# KiCad board FrontEnd_5G.kicad_pcb (continued)
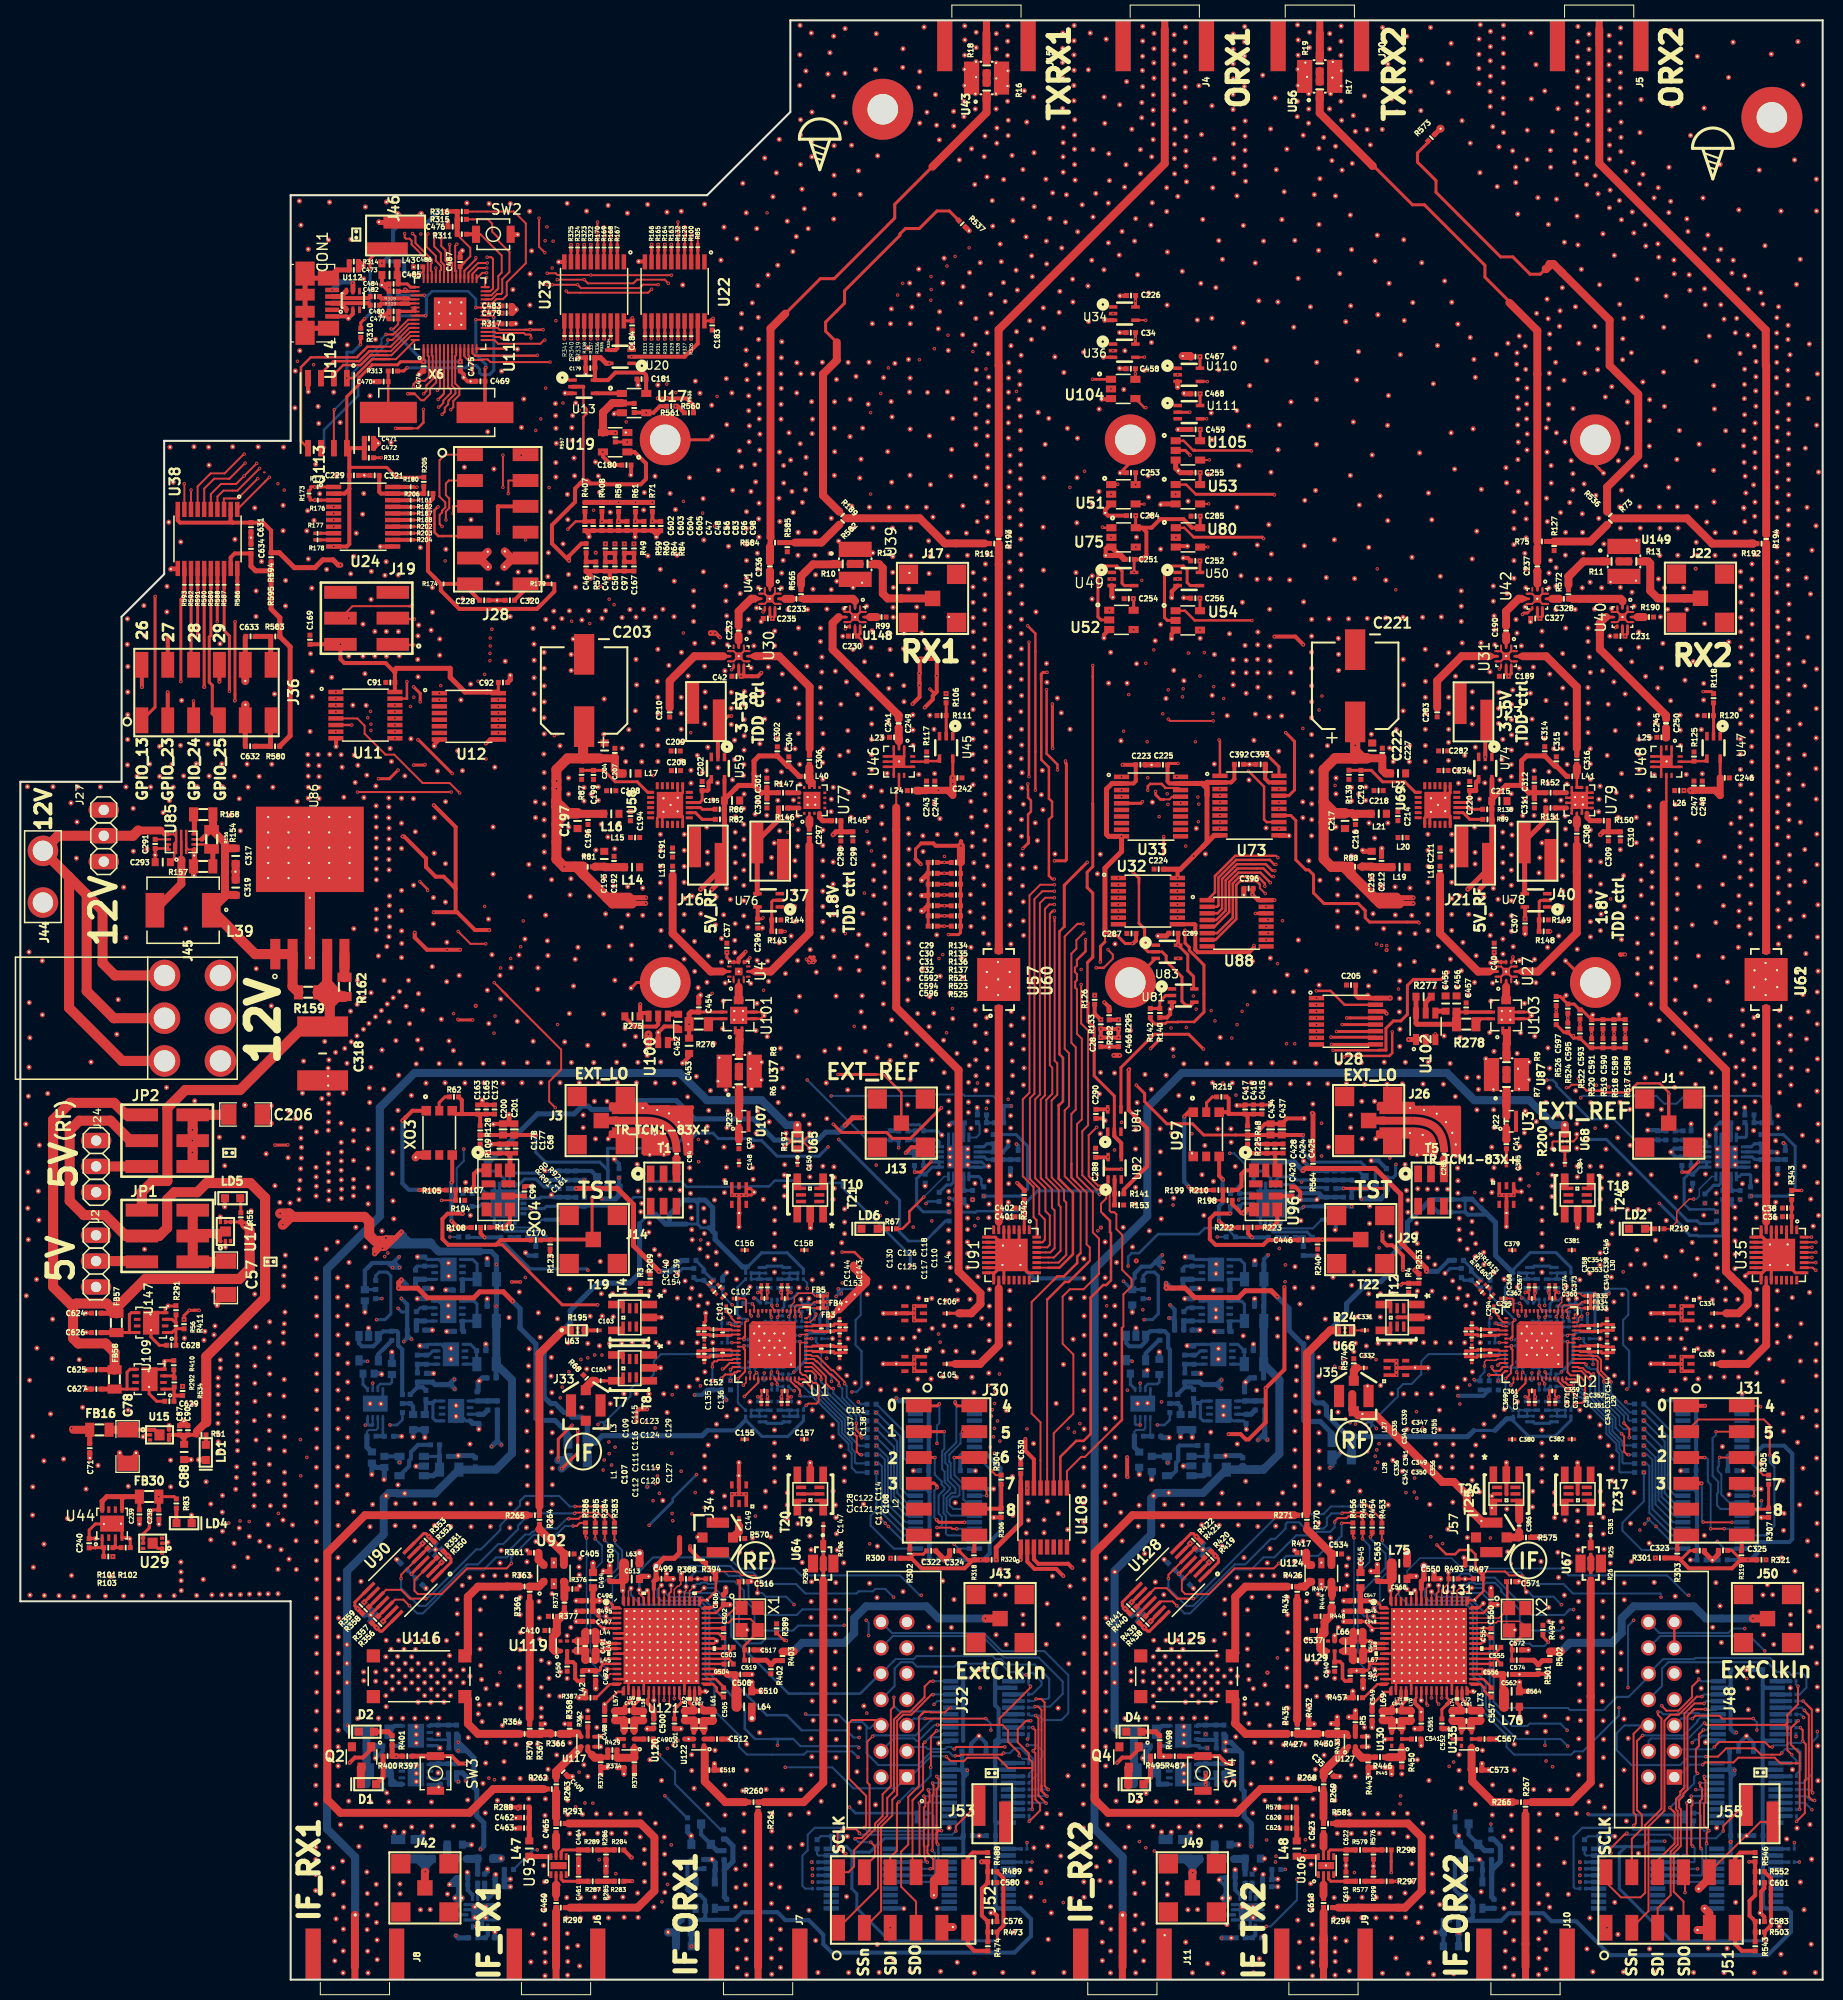
[diagram p0: board, top side]
## Placement (name value [footprint] x y rotation side) (continued)
Ref**#935  Val**  [VIA_600_400]  127.03 4.02 0 top
Ref**#936  Val**  [VIA_600_400]  127 5.41 0 top
Ref**#937  Val**  [VIA_600_400]  129.25 4.08 0 top
Ref**#938  Val**  [VIA_600_400]  129.24 2.74 0 top
Ref**#939  Val**  [VIA_600_400]  136.8 9.63 0 top
Ref**#940  Val**  [VIA_600_400]  136.79 11.4 0 top
Ref**#941  Val**  [VIA_600_400]  136.78 12.79 0 top
Ref**#942  Val**  [VIA_600_400]  138.79 10.4 0 top
Ref**#943  Val**  [VIA_600_400]  138.78 12.33 0 top
Ref**#944  Val**  [VIA_600_400]  138.8 8.58 0 top
Ref**#945  Val**  [VIA_600_400]  138.75 14.01 0 top
Ref**#946  Val**  [VIA_600_400]  137.85 15.38 0 top
Ref**#947  Val**  [VIA_600_400]  137.7 7.12 0 top
Ref**#948  Val**  [VIA_600_400]  146.8 3.86 0 top
Ref**#949  Val**  [VIA_600_400]  146.79 5.79 0 top
Ref**#950  Val**  [VIA_600_400]  146.81 2.04 0 top
Ref**#951  Val**  [VIA_600_400]  149.26 5.87 0 top
Ref**#952  Val**  [VIA_600_400]  149.26 4 0 top
Ref**#953  Val**  [VIA_600_400]  149.27 2.11 0 top
Ref**#954  Val**  [VIA_600_400]  147.85 83.24 0 top
Ref**#955  Val**  [VIA_600_400]  147.93 85.38 0 top
Ref**#956  Val**  [VIA_600_400]  144.86 91.24 0 top
Ref**#957  Val**  [VIA_600_400]  143.33 87.5 0 top
Ref**#958  Val**  [VIA_600_400]  147.33 87.56 0 top
Ref**#959  Val**  [VIA_600_400]  147.14 91.04 0 top
Ref**#960  Val**  [VIA_600_400]  148.3 90.19 0 top
Ref**#961  Val**  [VIA_600_400]  148.27 88.45 0 top
Ref**#962  Val**  [VIA_600_400]  166.02 83.01 0 top
Ref**#963  Val**  [VIA_600_400]  150.29 87.66 0 top
Ref**#964  Val**  [VIA_600_400]  150.34 89.59 0 top
Ref**#965  Val**  [VIA_600_400]  150.16 91.58 0 top
Ref**#966  Val**  [VIA_600_400]  148.87 92.72 0 top
Ref**#967  Val**  [VIA_600_400]  144.88 83.75 0 top
Ref**#968  Val**  [VIA_600_400]  143.18 85.49 0 top
Ref**#969  Val**  [VIA_600_400]  144.64 81.83 0 top
Ref**#970  Val**  [VIA_600_400]  147.39 81.89 0 top
Ref**#971  Val**  [VIA_600_400]  144.81 87.5 0 top
Ref**#972  Val**  [VIA_600_400]  121.21 62.46 0 top
Ref**#973  Val**  [VIA_600_400]  116.05 59.58 0 top
Ref**#974  Val**  [VIA_600_400]  114.69 62.31 0 top
Ref**#975  Val**  [VIA_600_400]  111.96 61.69 0 top
Ref**#976  Val**  [VIA_600_400]  109.67 64.05 0 top
Ref**#977  Val**  [VIA_600_400]  121.33 66.93 0 top
Ref**#978  Val**  [VIA_600_400]  115.91 67.94 0 top
Ref**#979  Val**  [VIA_600_400]  117.27 67.77 0 top
Ref**#980  Val**  [VIA_600_400]  121.35 70.67 0 top
Ref**#981  Val**  [VIA_600_400]  115.95 63.85 0 top
Ref**#982  Val**  [VIA_600_400]  110.78 59.9 0 top
Ref**#983  Val**  [VIA_600_400]  117.36 63.71 0 top
Ref**#984  Val**  [VIA_600_400]  114.46 66.93 0 top
Ref**#985  Val**  [VIA_600_400]  114.5 71.03 0 top
Ref**#986  Val**  [VIA_600_400]  117.81 46.78 0 top
Ref**#987  Val**  [VIA_600_400]  116.16 46.78 0 top
Ref**#988  Val**  [VIA_600_400]  114.24 46.7 0 top
Ref**#989  Val**  [VIA_600_400]  112.48 46.7 0 top
Ref**#990  Val**  [VIA_600_400]  112.29 44.63 0 top
Ref**#991  Val**  [VIA_600_400]  114.19 44.64 0 top
Ref**#992  Val**  [VIA_600_400]  116.13 44.69 0 top
Ref**#993  Val**  [VIA_600_400]  117.85 44.66 0 top
Ref**#994  Val**  [VIA_600_400]  125.21 44.43 0 top
Ref**#995  Val**  [VIA_600_400]  123.41 44.58 0 top
Ref**#996  Val**  [VIA_600_400]  121.65 44.54 0 top
Ref**#997  Val**  [VIA_600_400]  119.72 44.68 0 top
Ref**#998  Val**  [VIA_600_400]  108.31 43.12 0 top
Ref**#999  Val**  [VIA_600_400]  109.9 44.56 0 top
Ref**#1000  Val**  [VIA_600_400]  108.17 45.92 0 top
Ref**#1001  Val**  [VIA_600_400]  109.98 46.63 0 top
Ref**#1002  Val**  [VIA_600_400]  125.29 50.42 0 top
Ref**#1003  Val**  [VIA_600_400]  125.29 48.53 0 top
Ref**#1004  Val**  [VIA_600_400]  125.29 53.91 0 top
Ref**#1005  Val**  [VIA_600_400]  125.29 52.05 0 top
Ref**#1006  Val**  [VIA_600_400]  127.71 50.27 0 top
Ref**#1007  Val**  [VIA_600_400]  127.71 46.75 0 top
Ref**#1008  Val**  [VIA_600_400]  127.71 48.64 0 top
Ref**#1009  Val**  [VIA_600_400]  127.64 44.89 0 top
Ref**#1010  Val**  [VIA_600_400]  127.66 53.75 0 top
Ref**#1011  Val**  [VIA_600_400]  127.67 51.97 0 top
Ref**#1012  Val**  [VIA_600_400]  125.45 60.28 0 top
Ref**#1013  Val**  [VIA_600_400]  125.5 61.97 0 top
Ref**#1014  Val**  [VIA_600_400]  125.34 55.87 0 top
Ref**#1015  Val**  [VIA_600_400]  125.44 58.9 0 top
Ref**#1016  Val**  [VIA_600_400]  127.64 57.68 0 top
Ref**#1017  Val**  [VIA_600_400]  127.64 55.79 0 top
Ref**#1018  Val**  [VIA_600_400]  127.64 61.17 0 top
Ref**#1019  Val**  [VIA_600_400]  127.64 59.31 0 top
Ref**#1020  Val**  [VIA_600_400]  126.56 63.12 0 top
Ref**#1021  Val**  [VIA_600_400]  128.28 64.93 0 top
Ref**#1022  Val**  [VIA_600_400]  129.27 62.59 0 top
Ref**#1023  Val**  [VIA_600_400]  155.57 32.22 0 top
Ref**#1024  Val**  [VIA_600_400]  153.2 32.3 0 top
Ref**#1025  Val**  [VIA_600_400]  155.63 23.62 0 top
Ref**#1026  Val**  [VIA_600_400]  153.2 23.67 0 top
Ref**#1027  Val**  [VIA_600_400]  151.1 16.24 0 top
Ref**#1028  Val**  [VIA_600_400]  155.62 21.82 0 top
Ref**#1029  Val**  [VIA_600_400]  152.1 18.7 0 top
Ref**#1030  Val**  [VIA_600_400]  150.35 18.63 0 top
Ref**#1031  Val**  [VIA_600_400]  149.32 16.29 0 top
Ref**#1032  Val**  [VIA_600_400]  144.72 19.14 0 top
Ref**#1033  Val**  [VIA_600_400]  143.03 17.24 0 top
Ref**#1034  Val**  [VIA_600_400]  144.7 16.19 0 top
Ref**#1035  Val**  [VIA_600_400]  141.65 18.81 0 top
Ref**#1036  Val**  [VIA_600_400]  149.27 12.93 0 top
Ref**#1037  Val**  [VIA_600_400]  146.68 12.94 0 top
Ref**#1038  Val**  [VIA_600_400]  149.27 7.5 0 top
Ref**#1039  Val**  [VIA_600_400]  146.73 7.51 0 top
Ref**#1040  Val**  [VIA_600_400]  146.71 11.26 0 top
Ref**#1041  Val**  [VIA_600_400]  146.72 9.33 0 top
Ref**#1042  Val**  [VIA_600_400]  149.26 9.39 0 top
Ref**#1043  Val**  [VIA_600_400]  149.26 11.26 0 top
Ref**#1044  Val**  [VIA_600_400]  152.96 16.34 0 top
Ref**#1045  Val**  [VIA_600_400]  154.19 17.48 0 top
Ref**#1046  Val**  [VIA_600_400]  155.41 19.08 0 top
Ref**#1047  Val**  [VIA_600_400]  146.57 14.69 0 top
Ref**#1048  Val**  [VIA_600_400]  149.31 14.65 0 top
Ref**#1049  Val**  [VIA_600_400]  146.58 16.16 0 top
Ref**#1050  Val**  [VIA_600_400]  153.23 21.86 0 top
Ref**#1051  Val**  [VIA_600_400]  153.19 20.13 0 top
Ref**#1052  Val**  [VIA_600_400]  149.48 41.1 0 top
Ref**#1053  Val**  [VIA_600_400]  146.21 42.05 0 top
Ref**#1054  Val**  [VIA_600_400]  149.2 43.47 0 top
Ref**#1055  Val**  [VIA_600_400]  152.34 41.04 0 top
Ref**#1056  Val**  [VIA_600_400]  156.3 40.94 0 top
Ref**#1057  Val**  [VIA_600_400]  163.22 50.02 0 top
Ref**#1058  Val**  [VIA_600_400]  169.33 50.02 0 top
Ref**#1059  Val**  [VIA_600_400]  171.13 45.42 0 top
Ref**#1060  Val**  [VIA_600_400]  127.52 71.17 0 top
Ref**#1061  Val**  [VIA_600_400]  155.51 27.35 0 top
Ref**#1062  Val**  [VIA_600_400]  155.51 29 0 top
Ref**#1063  Val**  [VIA_600_400]  155.53 30.58 0 top
Ref**#1064  Val**  [VIA_600_400]  153.3 30.62 0 top
Ref**#1065  Val**  [VIA_600_400]  153.28 29.04 0 top
Ref**#1066  Val**  [VIA_600_400]  153.28 27.39 0 top
Ref**#1067  Val**  [VIA_600_400]  153.36 25.48 0 top
Ref**#1068  Val**  [VIA_600_400]  153.16 33.94 0 top
Ref**#1069  Val**  [VIA_600_400]  153.16 35.59 0 top
Ref**#1070  Val**  [VIA_600_400]  153.18 37.17 0 top
Ref**#1071  Val**  [VIA_600_400]  153.17 39.01 0 top
Ref**#1072  Val**  [VIA_600_400]  155.57 37.2 0 top
Ref**#1073  Val**  [VIA_600_400]  155.55 35.62 0 top
Ref**#1074  Val**  [VIA_600_400]  155.55 33.97 0 top
Ref**#1075  Val**  [VIA_600_400]  155.61 39.01 0 top
Ref**#1076  Val**  [VIA_600_400]  131.08 61.73 0 top
Ref**#1077  Val**  [VIA_600_400]  137.11 60.15 0 top
Ref**#1078  Val**  [VIA_600_400]  125.35 57.4 0 top
Ref**#1079  Val**  [VIA_600_400#4]  151.83 84.01 0 top
Ref**#1080  Val**  [VIA_600_400]  151.12 84.98 0 top
Ref**#1081  Val**  [VIA_600_400]  152.39 84.96 0 top
Ref**#1082  Val**  [VIA_600_400]  149.02 84.33 0 top
Ref**#1083  Val**  [VIA_600_400]  153.01 84.13 0 top
Ref**#1084  Val**  [VIA_600_400]  150.5 83.11 0 top
Ref**#1085  Val**  [VIA_600_400]  153 83.09 0 top
Ref**#1086  Val**  [VIA_600_400]  144.83 85.5 0 top
Ref**#1087  Val**  [VIA_600_400]  149.96 86.23 0 top
Ref**#1088  Val**  [VIA_600_400]  142.2 88.66 0 top
Ref**#1089  Val**  [VIA_600_400]  139.89 88.01 0 top
Ref**#1090  Val**  [VIA_600_400]  141.06 86.8 0 top
Ref**#1091  Val**  [VIA_600_400]  137.89 88.03 0 top
Ref**#1092  Val**  [VIA_600_400]  135.86 88.04 0 top
Ref**#1093  Val**  [VIA_600_400]  130.36 88.06 0 top
Ref**#1094  Val**  [VIA_600_400]  132.14 88.01 0 top
Ref**#1095  Val**  [VIA_600_400]  134.35 88.02 0 top
Ref**#1096  Val**  [VIA_600_400]  122.9 88.05 0 top
Ref**#1097  Val**  [VIA_600_400]  121.02 88.15 0 top
Ref**#1098  Val**  [VIA_600_400]  119.14 88.13 0 top
Ref**#1099  Val**  [VIA_600_400]  124.84 88.05 0 top
Ref**#1100  Val**  [VIA_600_400]  126.66 88.07 0 top
Ref**#1101  Val**  [VIA_600_400]  128.52 88.06 0 top
Ref**#1102  Val**  [VIA_600_400]  116.62 90.05 0 top
Ref**#1103  Val**  [VIA_600_400]  114.37 90.02 0 top
Ref**#1104  Val**  [VIA_600_400]  115.32 88.12 0 top
Ref**#1105  Val**  [VIA_600_400]  117.19 88.15 0 top
Ref**#1106  Val**  [VIA_600_400]  144.06 90.51 0 top
Ref**#1107  Val**  [VIA_600_400]  143.34 88.7 0 top
Ref**#1108  Val**  [VIA_600_400]  147.22 89.54 0 top
Ref**#1109  Val**  [VIA_600_400]  112.63 88.9 0 top
Ref**#1110  Val**  [VIA_600_400]  111.18 87.51 0 top
Ref**#1111  Val**  [VIA_600_400]  109.78 86.2 0 top
Ref**#1112  Val**  [VIA_600_400]  107.76 70.5 0 top
Ref**#1113  Val**  [VIA_600_400]  109.33 72.01 0 top
Ref**#1114  Val**  [VIA_600_400]  110.98 73.6 0 top
Ref**#1115  Val**  [VIA_600_400]  112.01 79.22 0 top
Ref**#1116  Val**  [VIA_600_400]  112.15 74.78 0 top
Ref**#1117  Val**  [VIA_600_400]  112.07 81.37 0 top
Ref**#1118  Val**  [VIA_600_400]  112.04 83.63 0 top
Ref**#1119  Val**  [VIA_600_400]  112.57 85.43 0 top
Ref**#1120  Val**  [VIA_600_400]  113.88 86.9 0 top
Ref**#1121  Val**  [VIA_600_400#4]  108.36 6.35 0 top
Ref**#1122  Val**  [VIA_600_400]  109.63 83.54 0 top
Ref**#1123  Val**  [VIA_600_400]  109.63 81.65 0 top
Ref**#1124  Val**  [VIA_600_400]  109.63 77.87 0 top
Ref**#1125  Val**  [VIA_600_400]  109.64 79.97 0 top
Ref**#1126  Val**  [VIA_600_400]  104.54 68.93 0 top
Ref**#1127  Val**  [VIA_600_400]  104.59 67.05 0 top
Ref**#1128  Val**  [VIA_600_400]  104.54 70.85 0 top
Ref**#1129  Val**  [VIA_600_400]  109.63 76.24 0 top
Ref**#1130  Val**  [VIA_600_400]  104.54 57.89 0 top
Ref**#1131  Val**  [VIA_600_400]  104.57 56.04 0 top
Ref**#1132  Val**  [VIA_600_400]  104.57 52.26 0 top
Ref**#1133  Val**  [VIA_600_400]  104.57 54.12 0 top
Ref**#1134  Val**  [VIA_600_400]  104.57 61.42 0 top
Ref**#1135  Val**  [VIA_600_400]  104.57 59.56 0 top
Ref**#1136  Val**  [VIA_600_400]  104.57 63.34 0 top
Ref**#1137  Val**  [VIA_600_400]  104.57 65.23 0 top
Ref**#1138  Val**  [VIA_600_400]  104.57 39.36 0 top
Ref**#1139  Val**  [VIA_600_400]  104.57 37.47 0 top
Ref**#1140  Val**  [VIA_600_400]  104.57 33.69 0 top
Ref**#1141  Val**  [VIA_600_400]  104.57 35.55 0 top
Ref**#1142  Val**  [VIA_600_400]  104.57 28.25 0 top
Ref**#1143  Val**  [VIA_600_400]  104.57 26.39 0 top
Ref**#1144  Val**  [VIA_600_400]  104.57 30.17 0 top
Ref**#1145  Val**  [VIA_600_400]  104.57 32.06 0 top
Ref**#1146  Val**  [VIA_600_400]  104.54 46.87 0 top
Ref**#1147  Val**  [VIA_600_400]  104.54 44.98 0 top
Ref**#1148  Val**  [VIA_600_400]  104.54 41.2 0 top
Ref**#1149  Val**  [VIA_600_400]  104.54 43.06 0 top
Ref**#1150  Val**  [VIA_600_400]  104.54 50.36 0 top
Ref**#1151  Val**  [VIA_600_400]  104.54 48.5 0 top
Ref**#1152  Val**  [VIA_600_400]  106.69 22.89 0 top
Ref**#1153  Val**  [VIA_600_400]  106.69 21 0 top
Ref**#1154  Val**  [VIA_600_400]  106.91 15.24 0 top
Ref**#1155  Val**  [VIA_600_400]  106.69 19.08 0 top
Ref**#1156  Val**  [VIA_600_400]  106.69 24.52 0 top
Ref**#1157  Val**  [VIA_600_400]  106.67 63.37 0 top
Ref**#1158  Val**  [VIA_600_400]  108.41 73.94 0 top
Ref**#1159  Val**  [VIA_600_400]  106.64 68.99 0 top
Ref**#1160  Val**  [VIA_600_400]  106.64 65.21 0 top
Ref**#1161  Val**  [VIA_600_400]  106.64 67.07 0 top
Ref**#1162  Val**  [VIA_600_400]  106.64 72.51 0 top
Ref**#1163  Val**  [VIA_600_400]  112.07 76.54 0 top
Ref**#1164  Val**  [VIA_600_400]  106.64 48.52 0 top
Ref**#1165  Val**  [VIA_600_400]  106.64 50.38 0 top
Ref**#1166  Val**  [VIA_600_400]  106.68 44.64 0 top
Ref**#1167  Val**  [VIA_600_400]  106.64 46.89 0 top
Ref**#1168  Val**  [VIA_600_400]  106.67 59.58 0 top
Ref**#1169  Val**  [VIA_600_400]  106.67 61.44 0 top
Ref**#1170  Val**  [VIA_600_400]  106.67 54.14 0 top
Ref**#1171  Val**  [VIA_600_400]  106.67 52.28 0 top
Ref**#1172  Val**  [VIA_600_400]  106.67 56.06 0 top
Ref**#1173  Val**  [VIA_600_400]  106.67 57.95 0 top
Ref**#1174  Val**  [VIA_600_400]  106.67 41.47 0 top
Ref**#1175  Val**  [VIA_600_400]  106.74 35.55 0 top
Ref**#1176  Val**  [VIA_600_400]  106.74 37.47 0 top
Ref**#1177  Val**  [VIA_600_400]  106.74 39.36 0 top
Ref**#1178  Val**  [VIA_600_400]  106.71 32.07 0 top
Ref**#1179  Val**  [VIA_600_400]  106.71 30.18 0 top
Ref**#1180  Val**  [VIA_600_400]  106.71 26.4 0 top
Ref**#1181  Val**  [VIA_600_400]  106.71 28.26 0 top
Ref**#1182  Val**  [VIA_600_400]  106.71 33.7 0 top
Ref**#1183  Val**  [VIA_600_400]  104.49 22.92 0 top
Ref**#1184  Val**  [VIA_600_400]  104.53 21.03 0 top
Ref**#1185  Val**  [VIA_600_400]  104.49 17.25 0 top
Ref**#1186  Val**  [VIA_600_400]  104.49 19.11 0 top
Ref**#1187  Val**  [VIA_600_400]  104.49 24.55 0 top
Ref**#1188  Val**  [VIA_600_400]  105.75 13.01 0 top
Ref**#1189  Val**  [VIA_600_400]  108.59 13.01 0 top
Ref**#1190  Val**  [VIA_600_400]  107.11 11.64 0 top
Ref**#1191  Val**  [VIA_600_400]  104.49 14.9 0 top
Ref**#1192  Val**  [VIA_600_400]  107.72 17.55 0 top
Ref**#1193  Val**  [VIA_600_400]  109.85 17.49 0 top
Ref**#1194  Val**  [VIA_600_400]  111.34 15.08 0 top
Ref**#1195  Val**  [VIA_600_400]  109.52 10.58 0 top
Ref**#1196  Val**  [VIA_600_400]  107.18 9.58 0 top
Ref**#1197  Val**  [VIA_600_400]  109.61 6.33 0 top
Ref**#1198  Val**  [VIA_600_400]  109.57 8.47 0 top
Ref**#1199  Val**  [VIA_600_400]  107.19 4.96 0 top
Ref**#1200  Val**  [VIA_600_400]  107.16 7.17 0 top
Ref**#1201  Val**  [VIA_600_400]  112.49 4.37 0 top
Ref**#1202  Val**  [VIA_600_400]  166.65 71.28 0 top
Ref**#1203  Val**  [VIA_600_400]  168.57 71.3 0 top
Ref**#1204  Val**  [VIA_600_400]  168.55 72.61 0 top
Ref**#1205  Val**  [VIA_600_400]  168.57 74.84 0 top
Ref**#1206  Val**  [VIA_600_400]  168.57 73.72 0 top
Ref**#1207  Val**  [VIA_600_400]  168.54 75.94 0 top
Ref**#1208  Val**  [VIA_600_400]  169.28 78.23 0 top
Ref**#1209  Val**  [VIA_600_400]  166.71 76.29 0 top
Ref**#1210  Val**  [VIA_600_400]  166.71 77.3 0 top
Ref**#1211  Val**  [VIA_600_400]  166.81 80.09 0 top
Ref**#1212  Val**  [VIA_600_400]  166.81 80.86 0 top
Ref**#1213  Val**  [VIA_600_400]  166.81 81.64 0 top
Ref**#1214  Val**  [VIA_600_400]  168.57 81.64 0 top
Ref**#1215  Val**  [VIA_600_400]  168.57 80.86 0 top
Ref**#1216  Val**  [VIA_600_400]  168.57 80.09 0 top
Ref**#1217  Val**  [VIA_600_400]  168.87 83.68 0 top
Ref**#1218  Val**  [VIA_600_400]  166.68 83.6 0 top
Ref**#1219  Val**  [VIA_600_400]  166.71 85.13 0 top
Ref**#1220  Val**  [VIA_600_400]  168.61 85.15 0 top
Ref**#1221  Val**  [VIA_600_400]  166.69 73.68 0 top
Ref**#1222  Val**  [VIA_600_400]  166.65 72.53 0 top
Ref**#1223  Val**  [VIA_600_400]  166.85 68.66 0 top
Ref**#1224  Val**  [VIA_600_400]  166.84 69.95 0 top
Ref**#1225  Val**  [VIA_600_400]  167.62 67.97 0 top
Ref**#1226  Val**  [VIA_600_400]  168.84 66.87 0 top
Ref**#1227  Val**  [VIA_600_400]  168.78 64.28 0 top
Ref**#1228  Val**  [VIA_600_400]  169.91 64.95 0 top
Ref**#1229  Val**  [VIA_600_400]  170.7 67.85 0 top
Ref**#1230  Val**  [VIA_600_400]  170.7 66.21 0 top
Ref**#1231  Val**  [VIA_600_400]  168.55 69.88 0 top
Ref**#1232  Val**  [VIA_600_400]  169.57 69.16 0 top
Ref**#1233  Val**  [VIA_600_400]  165.65 79.18 0 top
Ref**#1234  Val**  [VIA_600_400]  170.68 62.83 0 top
Ref**#1235  Val**  [VIA_600_400]  170.67 64.38 0 top
Ref**#1236  Val**  [VIA_600_400]  169.15 61.65 0 top
Ref**#1237  Val**  [VIA_600_400]  170.68 59.64 0 top
Ref**#1238  Val**  [VIA_600_400]  168.91 59.23 0 top
Ref**#1239  Val**  [VIA_600_400]  171.91 60.99 0 top
Ref**#1240  Val**  [VIA_600_400]  172.71 62.63 0 top
Ref**#1241  Val**  [VIA_600_400]  172.68 65.88 0 top
Ref**#1242  Val**  [VIA_600_400]  172.69 64.33 0 top
Ref**#1243  Val**  [VIA_600_400]  172.71 67.71 0 top
Ref**#1244  Val**  [VIA_600_400]  172.56 76.41 0 top
Ref**#1245  Val**  [VIA_600_400]  172.57 74.86 0 top
Ref**#1246  Val**  [VIA_600_400]  172.59 78.24 0 top
Ref**#1247  Val**  [VIA_600_400]  172.76 79.14 0 top
Ref**#1248  Val**  [VIA_600_400]  170.63 79.94 0 top
Ref**#1249  Val**  [VIA_600_400]  170.69 78.51 0 top
Ref**#1250  Val**  [VIA_600_400]  170.65 74.89 0 top
Ref**#1251  Val**  [VIA_600_400]  170.66 76.22 0 top
Ref**#1252  Val**  [VIA_600_400]  172.55 82.46 0 top
Ref**#1253  Val**  [VIA_600_400]  172.71 81.28 0 top
Ref**#1254  Val**  [VIA_600_400]  170.38 83.45 0 top
Ref**#1255  Val**  [VIA_600_400]  172.79 83.71 0 top
Ref**#1256  Val**  [VIA_600_400]  172.79 84.92 0 top
Ref**#1257  Val**  [VIA_600_400]  119.48 23.87 0 top
Ref**#1258  Val**  [VIA_600_400]  121.33 23.31 0 top
Ref**#1259  Val**  [VIA_600_400]  122.95 23.31 0 top
Ref**#1260  Val**  [VIA_600_400]  120.33 27.05 0 top
Ref**#1261  Val**  [VIA_600_400]  120.39 26.18 0 top
Ref**#1262  Val**  [VIA_600_400]  124.62 26.69 0 top
Ref**#1263  Val**  [VIA_600_400]  118.48 22.5 0 top
Ref**#1264  Val**  [VIA_600_400]  118.49 23.33 0 top
Ref**#1265  Val**  [VIA_600_400]  118.49 19.46 0 top
Ref**#1266  Val**  [VIA_600_400]  119.26 19.52 0 top
Ref**#1267  Val**  [VIA_600_400]  119.61 39.52 0 top
Ref**#1268  Val**  [VIA_600_400]  123.24 39.71 0 top
Ref**#1269  Val**  [VIA_600_400]  122.06 39.71 0 top
Ref**#1270  Val**  [VIA_600_400]  124.44 39.68 0 top
Ref**#1271  Val**  [VIA_600_400]  120.9 39.7 0 top
Ref**#1272  Val**  [VIA_600_400]  125.62 39.68 0 top
Ref**#1273  Val**  [VIA_600_400]  127.59 37.9 0 top
Ref**#1274  Val**  [VIA_600_400]  131.93 55.61 0 top
Ref**#1275  Val**  [VIA_600_400]  117.85 9.82 90 top
Ref**#1276  Val**  [VIA_600_400]  172.26 37.83 0 top
Ref**#1277  Val**  [VIA_600_400]  171.3 37.81 0 top
Ref**#1278  Val**  [VIA_600_400]  174.03 34.92 90 top
Ref**#1279  Val**  [VIA_600_400]  174 35.88 90 top
Ref**#1280  Val**  [VIA_600_400]  171.37 33.9 0 top
Ref**#1281  Val**  [VIA_600_400]  172.36 32.95 0 top
Ref**#1282  Val**  [VIA_600_400]  112.44 41.3 225 top
Ref**#1283  Val**  [VIA_600_400]  115.31 38.46 225 top
Ref**#1284  Val**  [VIA_600_400]  111.39 47.56 0 top
Ref**#1285  Val**  [VIA_600_400]  112.89 47.86 0 top
Ref**#1286  Val**  [VIA_600_400]  107.58 40.07 0 top
Ref**#1287  Val**  [VIA_600_400]  107.56 29.19 0 top
Ref**#1288  Val**  [VIA_600_400]  107.54 31.09 0 top
Ref**#1289  Val**  [VIA_600_400]  107.54 32.93 0 top
Ref**#1290  Val**  [VIA_600_400]  107.05 91.66 0 top
Ref**#1291  Val**  [VIA_600_400]  107.62 57.11 0 top
Ref**#1292  Val**  [VIA_600_400]  107.62 55.22 0 top
Ref**#1293  Val**  [VIA_600_400]  107.62 51.44 0 top
Ref**#1294  Val**  [VIA_600_400]  107.62 53.3 0 top
Ref**#1295  Val**  [VIA_600_400]  107.62 60.6 0 top
Ref**#1296  Val**  [VIA_600_400]  107.62 58.74 0 top
Ref**#1297  Val**  [VIA_600_400]  107.59 49.54 0 top
Ref**#1298  Val**  [VIA_600_400]  107.59 47.68 0 top
Ref**#1299  Val**  [VIA_600_400]  107.59 66.23 0 top
Ref**#1300  Val**  [VIA_600_400]  107.59 64.37 0 top
Ref**#1301  Val**  [VIA_600_400]  107.59 68.15 0 top
Ref**#1302  Val**  [VIA_600_400]  107.62 62.53 0 top
Ref**#1303  Val**  [VIA_600_400]  118.7 90.04 0 top
Ref**#1304  Val**  [VIA_600_400]  120.95 90.07 0 top
Ref**#1305  Val**  [VIA_600_400]  129.65 90.07 0 top
Ref**#1306  Val**  [VIA_600_400]  127.35 90.08 0 top
Ref**#1307  Val**  [VIA_600_400]  123.04 90.11 0 top
Ref**#1308  Val**  [VIA_600_400]  125.29 90.14 0 top
Ref**#1309  Val**  [VIA_600_400]  134.07 90.18 0 top
Ref**#1310  Val**  [VIA_600_400]  131.82 90.15 0 top
Ref**#1311  Val**  [VIA_600_400]  136.15 90.17 0 top
Ref**#1312  Val**  [VIA_600_400]  138.4 90.2 0 top
Ref**#1313  Val**  [VIA_600_400]  140.55 90.06 0 top
Ref**#1314  Val**  [VIA_600_400]  91.99 61.77 0 top
Ref**#1315  Val**  [VIA_600_400]  92.13 66.8 0 top
Ref**#1316  Val**  [VIA_600_400]  55.33 83.74 0 top
Ref**#1317  Val**  [VIA_600_400]  55.33 84.98 0 top
Ref**#1318  Val**  [VIA_600_400]  57.68 86.33 0 top
Ref**#1319  Val**  [VIA_600_400]  56.43 86.33 0 top
Ref**#1320  Val**  [VIA_600_400]  61.18 85.67 0 top
Ref**#1321  Val**  [VIA_600_400]  61.16 83.21 0 top
Ref**#1322  Val**  [VIA_600_400]  56.54 82.64 0 top
Ref**#1323  Val**  [VIA_600_400]  57.79 82.64 0 top
Ref**#1324  Val**  [VIA_600_400]  32.1 32.93 0 top
Ref**#1325  Val**  [VIA_600_400]  32.1 31.09 0 top
Ref**#1326  Val**  [VIA_600_400]  32.12 29.19 0 top
Ref**#1327  Val**  [VIA_600_400]  34.94 30.24 0 top
Ref**#1328  Val**  [VIA_600_400]  33.74 30.24 0 top
Ref**#1329  Val**  [VIA_600_400]  33.75 29.38 0 top
Ref**#1330  Val**  [VIA_600_400]  34.93 29.33 0 top
Ref**#1331  Val**  [VIA_600_400]  35.97 33.35 0 top
Ref**#1332  Val**  [VIA_600_400]  39.52 33.36 0 top
Ref**#1333  Val**  [VIA_600_400]  38.34 33.36 0 top
Ref**#1334  Val**  [VIA_600_400]  40.72 33.33 0 top
Ref**#1335  Val**  [VIA_600_400]  37.18 33.35 0 top
Ref**#1336  Val**  [VIA_600_400]  41.9 33.33 0 top
Ref**#1337  Val**  [VIA_600_400]  42.2 31.85 0 top
Ref**#1338  Val**  [VIA_600_400]  37.72 32.47 0 top
Ref**#1339  Val**  [VIA_600_400]  38.84 32.45 0 top
Ref**#1340  Val**  [VIA_600_400]  36.45 32.47 0 top
Ref**#1341  Val**  [VIA_600_400]  37.09 31.77 0 top
Ref**#1342  Val**  [VIA_600_400]  38.47 31.73 0 top
Ref**#1343  Val**  [VIA_600_400]  35.93 31.73 0 top
Ref**#1344  Val**  [VIA_600_400]  36.57 31.09 0 top
Ref**#1345  Val**  [VIA_600_400]  40.38 31.09 0 top
Ref**#1346  Val**  [VIA_600_400]  37.84 31.09 0 top
Ref**#1347  Val**  [VIA_600_400]  41.65 31.09 0 top
Ref**#1348  Val**  [VIA_600_400]  39.11 31.09 0 top
Ref**#1349  Val**  [VIA_600_400]  39.74 29.19 0 top
Ref**#1350  Val**  [VIA_600_400]  37.2 29.19 0 top
Ref**#1351  Val**  [VIA_600_400]  38.47 29.19 0 top
Ref**#1352  Val**  [VIA_600_400]  42.27 29.19 0 top
Ref**#1353  Val**  [VIA_600_400]  41.01 29.19 0 top
Ref**#1354  Val**  [VIA_600_400]  43.55 29.19 0 top
Ref**#1355  Val**  [VIA_600_400]  35.93 29.19 0 top
Ref**#1356  Val**  [VIA_600_400]  39.74 30.45 0 top
Ref**#1357  Val**  [VIA_600_400]  37.2 30.45 0 top
Ref**#1358  Val**  [VIA_600_400]  38.47 30.45 0 top
Ref**#1359  Val**  [VIA_600_400]  42.27 30.45 0 top
Ref**#1360  Val**  [VIA_600_400]  41.01 30.45 0 top
Ref**#1361  Val**  [VIA_600_400]  43.55 30.45 0 top
Ref**#1362  Val**  [VIA_600_400]  35.93 30.45 0 top
Ref**#1363  Val**  [VIA_600_400]  36.57 29.82 0 top
Ref**#1364  Val**  [VIA_600_400]  37.84 29.82 0 top
Ref**#1365  Val**  [VIA_600_400]  39.11 29.82 0 top
Ref**#1366  Val**  [VIA_600_400]  40.38 29.82 0 top
Ref**#1367  Val**  [VIA_600_400]  41.65 29.82 0 top
Ref**#1368  Val**  [VIA_600_400]  42.91 29.82 0 top
Ref**#1369  Val**  [VIA_600_400]  44.19 29.82 0 top
Ref**#1370  Val**  [VIA_600_400]  42.96 34 0 top
Ref**#1371  Val**  [VIA_600_400]  33.16 25.67 0 top
Ref**#1372  Val**  [VIA_600_400]  35.93 27.91 0 top
Ref**#1373  Val**  [VIA_600_400]  35.96 26.83 0 top
Ref**#1374  Val**  [VIA_600_400]  40.37 27.28 0 top
Ref**#1375  Val**  [VIA_600_400]  41.64 27.28 0 top
Ref**#1376  Val**  [VIA_600_400]  39.1 27.28 0 top
Ref**#1377  Val**  [VIA_600_400]  41.01 27.92 0 top
Ref**#1378  Val**  [VIA_600_400]  42.28 27.92 0 top
Ref**#1379  Val**  [VIA_600_400]  39.74 27.92 0 top
Ref**#1380  Val**  [VIA_600_400]  40.38 28.55 0 top
Ref**#1381  Val**  [VIA_600_400]  37.84 28.55 0 top
Ref**#1382  Val**  [VIA_600_400]  39.11 28.55 0 top
Ref**#1383  Val**  [VIA_600_400]  41.65 28.55 0 top
Ref**#1384  Val**  [VIA_600_400]  36.57 28.55 0 top
Ref**#1385  Val**  [VIA_600_400]  73.83 2.11 0 top
Ref**#1386  Val**  [VIA_600_400]  73.82 4 0 top
Ref**#1387  Val**  [VIA_600_400]  73.82 5.87 0 top
Ref**#1388  Val**  [VIA_600_400]  73.87 14.6 0 top
Ref**#1389  Val**  [VIA_600_400]  73.82 11.26 0 top
Ref**#1390  Val**  [VIA_600_400]  73.82 9.39 0 top
Ref**#1391  Val**  [VIA_600_400]  73.83 7.5 0 top
Ref**#1392  Val**  [VIA_600_400]  73.83 12.93 0 top
Ref**#1393  Val**  [VIA_600_400]  73.88 16.29 0 top
Ref**#1394  Val**  [VIA_600_400]  71.34 5.79 0 top
Ref**#1395  Val**  [VIA_600_400]  71.35 3.86 0 top
Ref**#1396  Val**  [VIA_600_400]  71.14 16.3 0 top
Ref**#1397  Val**  [VIA_600_400]  71.12 14.56 0 top
Ref**#1398  Val**  [VIA_600_400]  71.27 9.33 0 top
Ref**#1399  Val**  [VIA_600_400]  71.26 11.26 0 top
Ref**#1400  Val**  [VIA_600_400]  71.28 7.51 0 top
Ref**#1401  Val**  [VIA_600_400]  71.23 12.94 0 top
Ref**#1402  Val**  [VIA_600_400]  71.37 2.05 0 top
Ref**#1403  Val**  [VIA_600_400]  71.4 0.47 0 top
Ref**#1404  Val**  [VIA_600_400]  73.86 0.53 0 top
Ref**#1405  Val**  [VIA_600_400]  149.25 0.49 0 top
Ref**#1406  Val**  [VIA_600_400]  146.79 0.42 0 top
Ref**#1407  Val**  [VIA_600_400]  129.24 0.44 0 top
Ref**#1408  Val**  [VIA_600_400]  129.25 1.78 0 top
Ref**#1409  Val**  [VIA_600_400]  127.03 1.72 0 top
Ref**#1410  Val**  [VIA_600_400]  127.02 0.38 0 top
